# KiCad board impulse_pluggy.kicad_pcb
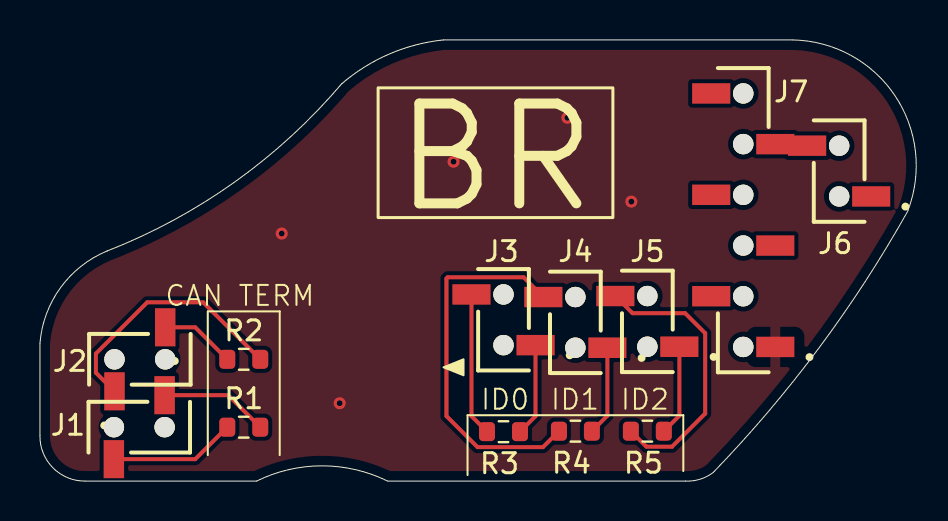
[diagram p0: board, top side]
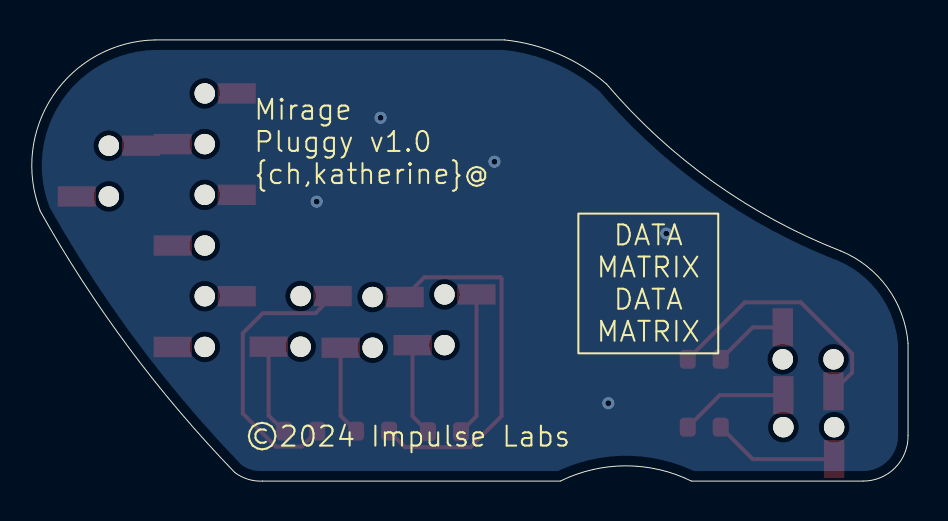
[diagram p1: board, bottom side, seen from below]

Outline 43.86 x 22.1 mm; copper layers: Top, Bottom. Coordinates in mm from the lower left corner of the outline.
Outline path: 15.1,19.9 arc(9.75,14.99) 3.37,11.53 arc(1.03,9.69) 0,6.9 0,2.28 arc(0.65,0.67) 2.25,0 10.84,0 arc(14.12,0.77) 17.4,0 32.31,0 arc(33.04,0.1) 33.69,0.43 arc(38.99,6.68) 43.45,13.55 ; 15.1,19.9 arc(17.48,21.39) 20.2,22.1 37.68,22.1 arc(42.78,19.33) 43.44,13.55

## Placement (name value [footprint] x y rotation side)
J1  Conn_01x02_Socket  [SAMTEC_SSM-102-L-SV-BE]  4.97 2.7 0 top
J2  Conn_01x02_Socket  [SAMTEC_SSM-102-L-SV-BE]  5 6.1 180 top
J3  Conn_01x02_Socket  [SAMTEC_SSM-102-L-SV-BE]  23.2 8.08 270 top
J4  Conn_01x02_Socket  [SAMTEC_SSM-102-L-SV-BE]  26.8 7.95 270 top
J5  Conn_01x02_Socket  [SAMTEC_SSM-102-L-SV-BE]  30.4 8 270 top
J6  Conn_01x02_Socket  [SAMTEC_SSM-102-L-SV-BE]  40 15.53 270 top
J7  Conn_01x06_Socket  [SAMTEC_SSM-106-L-SV-BE]  35.2 13.07 270 top
R1  R  [R_0603_1608Metric]  10.2 2.7 0 top
R2  R  [R_0603_1608Metric]  10.2 6.1 0 top
R3  R  [R_0603_1608Metric]  23.2 2.48 0 top
R4  R  [R_0603_1608Metric]  26.8 2.5 0 top
R5  R  [R_0603_1608Metric]  30.4 2.5 0 top

## Library data of the parts
J1-J6 = -: Description: Generic connector, single row, 01x02, script generated; ki_fp_filters: Connector*:*_1x??_*
J7 = -: Description: Generic connector, single row, 01x06, script generated; ki_fp_filters: Connector*:*_1x??_*
R1-R5 = -: Description: Resistor; ki_fp_filters: R_*

## Footprints (pads in the part's own frame, mm; a bottom-side part is the same pattern mirrored in y, then rotated)
R_0603_1608Metric
  rrect 0.8x0.95 smd: 1(-0.825,0) 2(0.825,0)
SAMTEC_SSM-102-L-SV-BE
  round 1.02 hole 1.02 unplated: (-1.27,0) (1.27,0)
  rect 1.02x1.905 smd: 1(1.27,1.603) 2(-1.27,-1.603)
SAMTEC_SSM-106-L-SV-BE
  round 1.02 hole 1.02 unplated: (-6.35,0) (-3.81,0) (-1.27,0) (1.27,0) (3.81,0) (6.35,0)
  rect 1.02x1.905 smd: 1(6.35,1.603) 2(3.81,-1.603) 3(1.27,1.603) 4(-1.27,-1.603) 5(-3.81,1.603) 6(-6.35,-1.603)

## Nets
GND: J7.1
/CAN_H_1: J1.1 R1.2
/CAN_H_2: J1.2 R1.1
/CAN_L_1: J2.1 R2.2
/CAN_L_2: J2.2 R2.1
/FTDI_CTS: J7.2
/FTDI_RTS: J7.6
/FTDI_RXD: J7.5
/FTDI_TXD: J7.4
/FTDI_VCC: J7.3
/ID_0_1: J3.1 R3.2
/ID_0_2: J3.2 R3.1
/ID_1_1: J4.1 R4.2
/ID_1_2: J4.2 R4.1
/ID_2_1: J5.1 R5.2
/ID_2_2: J5.2 R5.1
/WD_1: J6.1
/WD_2: J6.2

## Via types
v1: diameter 0.6, hole 0.3, Top to Bottom, 5 vias

## Routing (per net, layer and track width the routed paths; a pad name or vN(x,y) marks a point on that pad's centre or on a via; arc(x,y) is an arc through that point)
GND:
  vias: v1(12.1,12.4) v1(15,3.9) v1(20.7,16) v1(26.4,18.2) v1(29.6,14)
/CAN_H_1: length 5.4
  Top w0.2: J1.1 9.42,4.3 R1.2
/CAN_H_2: length 6.3
  Top w0.2: J1.2 7.77,1.1 R1.1
/CAN_L_1: length 12.7
  Top w0.2: J2.1 2.8,5.43 2.8,6.39 5.37,8.96 8.17,8.96 R2.2
/CAN_L_2: length 3.8
  Top w0.2: R2.1 7.77,7.7 J2.2
/ID_0_1: length 4.7
  Top w0.2: R3.2 24.8,3.25 J3.1
/ID_0_2: length 7.2
  Top w0.2: R3.1 21.6,3.25 J3.2
/ID_1_1: length 4.5
  Top w0.2: R4.2 28.4,3.28 J4.1
/ID_1_2: length 18.8
  Top w0.2: R4.1 25.18,1.7 21.9,1.7 20.35,3.26 20.35,10.15 20.41,10.21 24.21,10.21 J4.2
/ID_2_1: length 4.6
  Top w0.2: R5.2 32,3.28 J5.1
/ID_2_2: length 14
  Top w0.2: R5.1 30.35,1.73 31.64,1.73 33.29,3.38 33.29,7.41 32.29,8.41 29.66,8.41 J5.2

## Copper pours and planes (outline as drawn; the poured copper is in the pictures)
GND on Top, Bottom: -5,27.9 50,27.9 50,-12.1 -5,-12.1

## Text on the board
B.Silkscreen: Mirage / Pluggy v1.0 / {ch,katherine}@ | ©2024 Impulse Labs | DATA / MATRIX / DATA / MATRIX
F.Silkscreen: CAN TERM | ID0 | ID1 | ID2 | BR
